# Altium PCB LXDbig.PcbDoc
Units mil, origin at the board's own origin, x right, y up, seen from the top; angles counter-clockwise.
Board outline 9763.78 x 9448.82 mil, 2 copper layers (Top Layer, Bottom Layer); 89 components, 61 nets, 381 pads, 13 vias.
Unrouted connection lines stored in the file: 14.
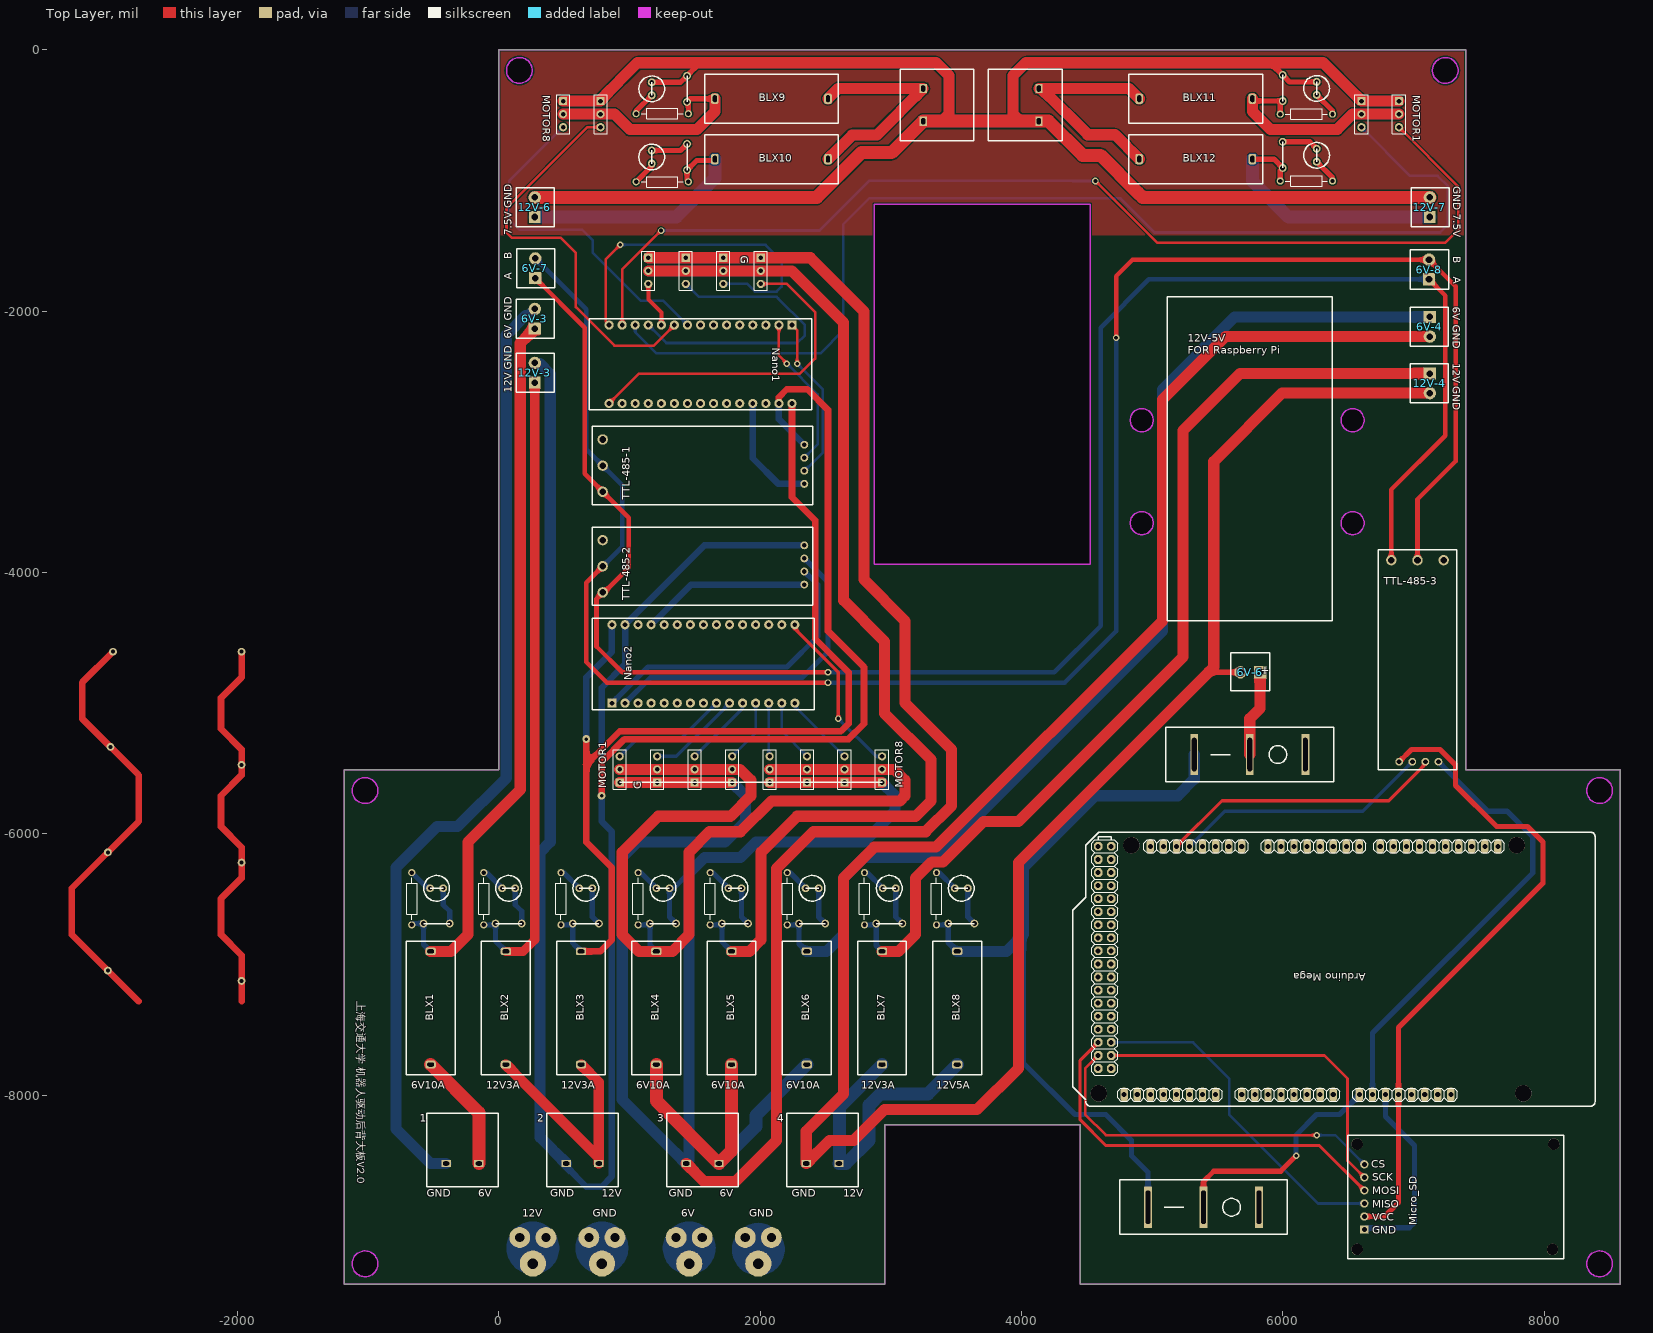
[diagram p0: Top Layer view]
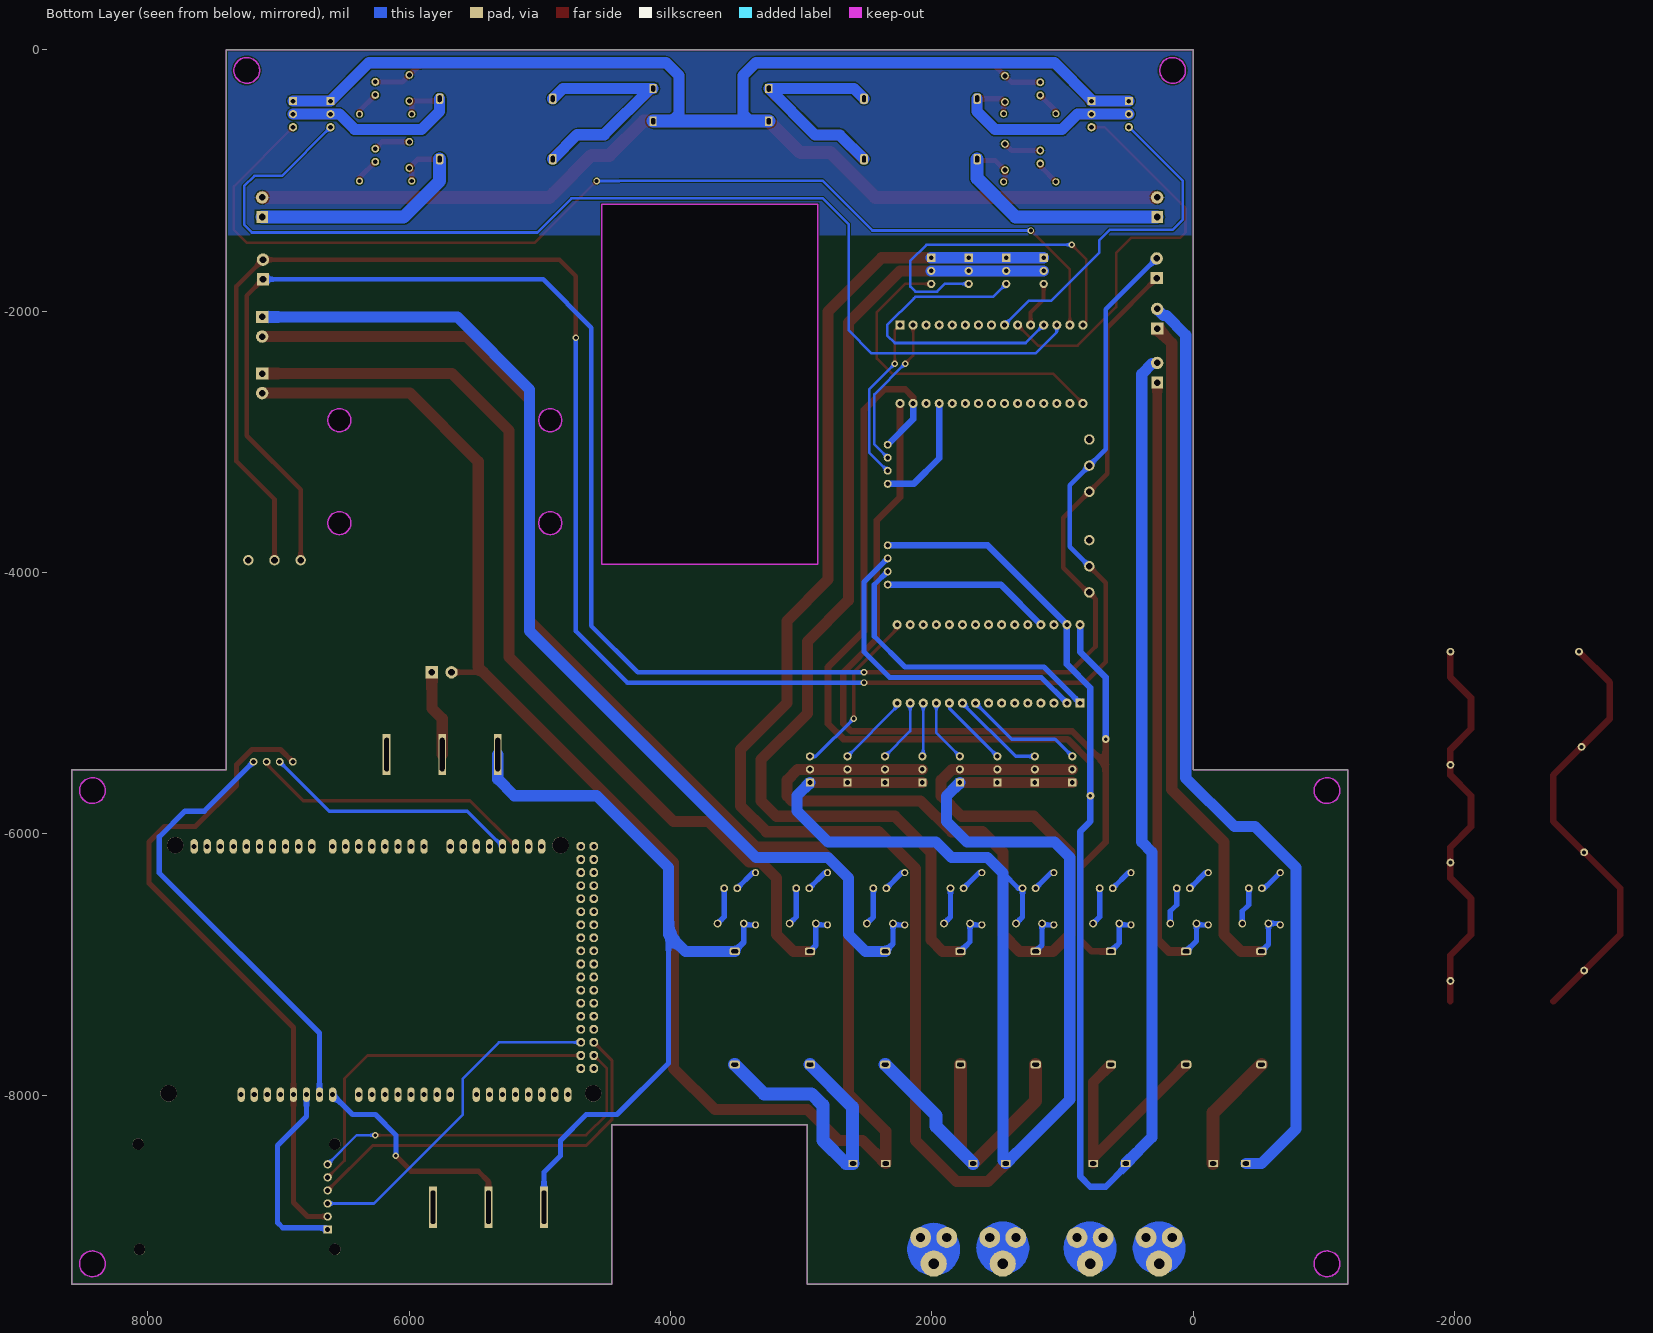
[diagram p1: Bottom Layer view, seen from below]

## Layer stack, top to bottom
Top Solder: solder mask 0.4, Solder Resist, Dk 3.5
Top Layer: signal copper 1.4
Dielectric 1: dielectric 12.6, FR-4, Dk 4.8
Bottom Layer: signal copper 1.4
Bottom Solder: solder mask 0.4, Solder Resist, Dk 3.5

## Board outline
-1181.1,-9448.82 -1181.1,-5511.81 0,-5511.81 0,0 7401.57,0 7401.57,-5511.81 8582.68,-5511.81 8582.68,-9448.82 4448.82,-9448.82 4448.82,-8228.35 2952.76,-8228.35 2952.76,-9448.82
cut-out: 2874.02,-3937.01 4527.56,-3937.01 4527.56,-1181.1 2874.02,-1181.1
cut-out: 7145.67,-157.48 ccw(c7244.09,-157.48) 7244.09,-255.91 ccw(c7244.09,-157.48) 7342.52,-157.48 ccw(c7244.09,-157.48) 7244.09,-59.06 ccw(c7244.09,-157.48)
cut-out: 157.48,-255.91 cw(c157.48,-157.48) 59.06,-157.48 cw(c157.48,-157.48) 157.48,-59.06 cw(c157.48,-157.48) 255.91,-157.48 cw(c157.48,-157.48)
cut-out: 4833.23,-2834.65 ccw(c4921.26,-2834.65) 4921.26,-2922.68 ccw(c4921.26,-2834.65) 5009.29,-2834.65 ccw(c4921.26,-2834.65) 4921.26,-2746.61 ccw(c4921.26,-2834.65)
cut-out: 6447.4,-2834.65 ccw(c6535.43,-2834.65) 6535.43,-2922.68 ccw(c6535.43,-2834.65) 6623.47,-2834.65 ccw(c6535.43,-2834.65) 6535.43,-2746.61 ccw(c6535.43,-2834.65)
cut-out: 6447.4,-3622.05 ccw(c6535.43,-3622.05) 6535.43,-3710.08 ccw(c6535.43,-3622.05) 6623.47,-3622.05 ccw(c6535.43,-3622.05) 6535.43,-3534.01 ccw(c6535.43,-3622.05)
cut-out: 4833.23,-3622.05 ccw(c4921.26,-3622.05) 4921.26,-3710.08 ccw(c4921.26,-3622.05) 5009.29,-3622.05 ccw(c4921.26,-3622.05) 4921.26,-3534.01 ccw(c4921.26,-3622.05)
cut-out: -1122.05,-5669.29 ccw(c-1023.62,-5669.29) -1023.62,-5767.72 ccw(c-1023.62,-5669.29) -925.2,-5669.29 ccw(c-1023.62,-5669.29) -1023.62,-5570.87 ccw(c-1023.62,-5669.29)
cut-out: -1122.05,-9291.34 ccw(c-1023.62,-9291.34) -1023.62,-9389.76 ccw(c-1023.62,-9291.34) -925.2,-9291.34 ccw(c-1023.62,-9291.34) -1023.62,-9192.91 ccw(c-1023.62,-9291.34)
cut-out: 8326.77,-9291.34 ccw(c8425.2,-9291.34) 8425.2,-9389.76 ccw(c8425.2,-9291.34) 8523.62,-9291.34 ccw(c8425.2,-9291.34) 8425.2,-9192.91 ccw(c8425.2,-9291.34)
cut-out: 8326.77,-5669.29 ccw(c8425.2,-5669.29) 8425.2,-5767.72 ccw(c8425.2,-5669.29) 8523.62,-5669.29 ccw(c8425.2,-5669.29) 8425.2,-5570.87 ccw(c8425.2,-5669.29)

## Design rules (kind name [scope] priority, off if disabled: settings)
Clearance [All] p1: gap=10 ignorepadtopadclearanceinfootprint=FALSE except(0: Arc-Hole Track-Hole SMDPad-Hole THPad-Hole Via-Hole Fill-Hole Poly-Hole Region-Hole Text-Hole)
HoleSize [All] p1 off: absolutevalues=TRUE maxlimit=150 minlimit=1 maxpercent=80.000 minpercent=20.000
PolygonConnect [All] p1: connectstyle=Relief reliefconductorwidth=10 reliefentries=4 polygonreliefangle="90 Angle" airgapwidth=10
RoutingVias [All] p1: holewidth=28 width=50 viastyle="Through Hole" minholewidth=28 minwidth=50 maxholewidth=28 maxwidth=50
SilkToSilkClearance [All] p1 off: silktosilkclearance=10
SilkToSolderMaskClearance [IsPad] p1 off: minsilkscreentomaskgap=10 clearancetoexposedcopper=TRUE
SolderMaskExpansion [All] p1: expansion=4
Width [All] p1: maxlimit=150 minlimit=20 preferedwidth=20
27 further rules are at their usual default settings.

## Components (designator, comment, footprint, x,y, rotation, side; value= is the part's Value field where it differs from the comment)
1 "Comment" 6.35duan -551.18,-8700.79 r0 top
2 "Comment" 6.35duan 367.45,-8700.79 r0 top
3 "Comment" 6.35duan 1286.09,-8700.79 r0 top
4 "Comment" 6.35duan 2204.72,-8700.79 r0 top
6V-3 "Comment" "HEADER 1X2a"#1 275.59,-2133.03 r90 top
6V-4 "Comment" "HEADER 1X2a"#1 7125.98,-2044.45 r270 top
6V-6 "Comment" "HEADER 1X2a"#1 5826.77,-4763.78 r180 top
6V-7 "Comment" "HEADER 1X2a"#1 279.13,-1746.42 r90 top
6V-8 "Comment" "HEADER 1X2a"#1 7119.68,-1756.26 r90 top
12V-3 "Comment" "HEADER 1X2a"#2 275.59,-2546.42 r90 top
12V-4 "Comment" "HEADER 1X2a"#1 7125.98,-2477.52 r270 top
12V-6 "Comment" "HEADER 1X2a"#2 275.59,-1279.53 r90 top
12V-7 "Comment" "HEADER 1X2a"#2 7125.98,-1279.53 r90 top
"Arduino Mega" "Comment" arduino_pin 6456.69,-6771.65 r180 top
BLX1 "Comment" BLX-A -521.65,-7766.26 r90 top
BLX2 "Comment" BLX-A 54.13,-7766.26 r90 top
BLX3 "Comment" BLX-A 629.92,-7766.26 r90 top
BLX4 "Comment" BLX-A 1205.71,-7766.26 r90 top
BLX5 "Comment" BLX-A 1781.5,-7766.26 r90 top
BLX6 "Comment" BLX-A 2357.28,-7766.26 r90 top
BLX7 "Comment" BLX-A 2933.07,-7766.26 r90 top
BLX8 "Comment" BLX-A 3508.86,-7766.26 r90 top
BLX9 "Comment" BLX-A 1653.54,-374.02 r0 top
BLX10 "Comment" BLX-A 1653.54,-836.61 r0 top
BLX11 "Comment" BLX-A 4901.57,-374.02 r0 top
BLX12 "Comment" BLX-A 4901.57,-836.61 r0 top
Micro_SD "Comment" Micro_SD 9094.49,-10905.51 r0 top
MOTOR1 "Comment" HDR1X3 925.2,-5607.44 r90 top
MOTOR1 "Comment" HDR1X3 6889.76,-392.12 r270 top
MOTOR8 "Comment" HDR1X3 2933.07,-5607.44 r90 top
MOTOR8 "Comment" HDR1X3 492.13,-392.12 r270 top
Nano1 "Comment" NANO 2244.09,-2106.3 r270 top
Nano2 "Comment" NANO 866.14,-5000 r90 top
TTL-485-1 "Comment" ttl-485#1 2401.57,-3481.46 r180 top
TTL-485-2 "Comment" ttl-485#1 2401.57,-4251.97 r180 top
TTL-485-3 "Comment" ttl-485#2 6732.28,-5511.81 r90 top
? "Comment" LED_BLUE 6259.84,-807.09 r270 top
? "Comment" C_50V_10u 5999.8,-703.78 r270 top
? "Comment" AXIAL-0.4 6181.1,-1003.94 r0 top
? "Comment" LED_BLUE 6259.84,-295.28 r270 top
? "Comment" C_50V_10u 5999.8,-191.97 r270 top
? "Comment" AXIAL-0.4 6181.1,-492.13 r0 top
? "Comment" HDR1X3 1212.04,-5607.44 r90 top
? "Comment" HDR1X3 1498.88,-5607.44 r90 top
? "Comment" HDR1X3 1785.71,-5607.44 r90 top
? "Comment" HDR1X3 2072.55,-5607.44 r90 top
? "Comment" HDR1X3 2359.39,-5607.44 r90 top
? "Comment" HDR1X3 2646.23,-5607.44 r90 top
? "Comment" HDR1X3 778.97,-392.12 r270 top
? "Comment" HDR1X3 1144.54,-1591.69 r270 top
? "Comment" HDR1X3 1431.38,-1591.69 r270 top
? "Comment" HDR1X3 1718.22,-1591.69 r270 top
? "Comment" HDR1X3 2005.06,-1591.69 r270 top
? "Comment" HDR1X3 6602.92,-392.12 r270 top
? "Comment" LED_BLUE 75.43,-6417.2 r0 top
? "Comment" C_50V_10u -24.57,-6687.2 r0 top
? "Comment" AXIAL-0.4 -114.57,-6497.2 r90 top
? "Comment" LED_BLUE -475.75,-6417.2 r0 top
? "Comment" C_50V_10u -575.75,-6687.2 r0 top
? "Comment" AXIAL-0.4 -665.75,-6497.2 r90 top
? "Comment" LED_BLUE 665.98,-6417.2 r0 top
? "Comment" C_50V_10u 565.98,-6687.2 r0 top
? "Comment" AXIAL-0.4 475.98,-6497.2 r90 top
? "Comment" LED_BLUE 1256.54,-6417.2 r0 top
? "Comment" C_50V_10u 1156.54,-6687.2 r0 top
? "Comment" AXIAL-0.4 1066.54,-6497.2 r90 top
? "Comment" LED_BLUE 1807.72,-6417.2 r0 top
? "Comment" C_50V_10u 1707.72,-6687.2 r0 top
? "Comment" AXIAL-0.4 1617.72,-6497.2 r90 top
? "Comment" LED_BLUE 2398.27,-6417.2 r0 top
? "Comment" C_50V_10u 2298.27,-6687.2 r0 top
? "Comment" AXIAL-0.4 2208.27,-6497.2 r90 top
? "Comment" LED_BLUE 2988.82,-6417.2 r0 top
? "Comment" C_50V_10u 2888.82,-6687.2 r0 top
? "Comment" AXIAL-0.4 2798.82,-6497.2 r90 top
? "Comment" LED_BLUE 3540,-6417.2 r0 top
? "Comment" C_50V_10u 3440,-6687.2 r0 top
? "Comment" AXIAL-0.4 3350,-6497.2 r90 top
? "Comment" switch 5748.03,-5393.7 r0 top
? "Comment" 6.35duan 4311.02,-694.88 r90 top
? "Comment" 6.35duan 3070.87,-147.64 r270 top
? "Comment" "5V REGULATOR" 5118.11,-4370.08 r0 top
? "Comment" switch 5393.7,-8858.27 r0 top
? "Comment" AXIAL-0.4 1251.14,-488.58 r180 top
? "Comment" C_50V_10u 1441.14,-398.58 r90 top
? "Comment" LED_BLUE 1171.14,-298.58 r90 top
? "Comment" AXIAL-0.4 1251.14,-1010.24 r180 top
? "Comment" C_50V_10u 1441.14,-920.24 r90 top
? "Comment" LED_BLUE 1171.14,-820.24 r90 top

## Footprints (in the part's own frame and the unit in brackets; to place one, negate y for a bottom-side part, rotate by r counter-clockwise, add the part's x,y. Pads: shape width x height; smd on the part's side, far side on the other; paste and mask are expansions set on the pad)
"5V REGULATOR" [mil]
  silkscreen extent 0,0 1260,2480
6.35duan [mm]
  rect 1.8x1.4 hole 0.8 slot 1.2 at 0 deg: 1(3.775,4.5) 2(10.125,4.5)
  silkscreen extent 0,0 13.9,14.3
arduino_pin [mil]
  round 126 hole 126: 1(-1385,1215) 1(-1335,-685) 1(1615,-685) 1(1865,1215)
  oval 56x112 hole 39: 1(-1190,-675) 1(-830,1225) 1(70,1225) 1(570,-675) 1(970,1225) 1(1470,-675) 2(-1090,-675) 2(-730,1225) 2(170,1225) 2(470,-675) 2(1070,1225) 2(1370,-675) 3(-990,-675) 3(-630,1225) 3(270,1225) 3(370,-675) 3(1170,1225) 3(1270,-675) 4(-890,-675) 4(-530,1225) 4(270,-675) 4(370,1225) 4(1170,-675) 4(1270,1225) 5(-790,-675) 5(-430,1225) 5(170,-675) 5(470,1225) 5(1070,-675) 5(1370,1225) 6(-690,-675) 6(-330,1225) 6(70,-675) 6(570,1225) 6(970,-675) 6(1470,1225) 7(-590,-675) 7(-230,1225) 7(-30,-675) 7(670,1225) 7(870,-675) 7(1570,1225) 8(-490,-675) 8(-130,1225) 8(-130,-675) 8(770,1225) 8(770,-675) 8(1670,1225) 9(-390,-675) 10(-290,-675)
  oct 66x66 hole 38: 1(1770,-675) 2(1870,-675) 3(1770,-575) 4(1870,-575) 5(1770,-475) 6(1870,-475) 7(1770,-375) 8(1870,-375) 9(1770,-275) 10(1870,-275) 11(1770,-175) 12(1870,-175) 13(1770,-75) 14(1870,-75) 15(1770,25) 16(1870,25) 17(1770,125) 18(1870,125) 19(1770,225) 20(1870,225) 21(1770,325) 22(1870,325) 23(1770,425) 24(1870,425) 25(1770,525) 26(1870,525) 27(1770,625) 28(1870,625) 29(1770,725) 30(1870,725) 31(1770,825) 32(1870,825) 33(1770,925) 34(1870,925) 35(1770,1025) 36(1870,1025)
  silkscreen extent -1935,-785 2065,1315
AXIAL-0.4 [mm] "Axial Device, Thru-Hole; 2 Leads; 0.4 in Pin Spacing"
  round 1.4 hole 0.85: 1(-5.08,0) 2(5.08,0)
  silkscreen extent -4.06,-1.02 4.06,1.02
BLX-A [mm]
  rrect50% 1.5x2 hole 0.762 slot 1.3 at 90 deg: 1(0,0) 2(22,0)
  silkscreen extent -2,-4.74 24,4.74
C_50V_10u [mil]
  round 60 hole 38: 1(0,0) 2(200,0)
  silkscreen extent 0,0 200,0
HDR1X3 [mm] "Connector; Header; 3 Position"
  rect 1.6x1.6 hole 0.9: 1(0,0)
  round 1.6 hole 0.9: 2(2.54,0) 3(5.08,0)
  silkscreen extent -1.27,-1.27 6.35,1.27
"HEADER 1X2a"#1 [mil]
  rect 95x95 hole 50 paste+0: 1(0,0)
  round 95 hole 50: 2(150,0)
  silkscreen extent -75,-150 225,142
"HEADER 1X2a"#2 [mil]
  rect 90x90 hole 50: 1(0,0)
  round 95 hole 50: 2(150,0)
  silkscreen extent -75,-150 225,142
LED_BLUE [mil]
  round 60 hole 35: 1(-50,0) 2(50,0)
  silkscreen extent -98,-98 98,98
Micro_SD [mm]
  rect 1.6x1.6 hole 0.965: 1(-62.738,47.65)
  round 1.6 hole 0.965: 2(-62.738,50.19) 3(-62.738,52.73) 4(-62.738,55.27) 5(-62.738,57.81) 6(-62.738,60.35)
  round 2.2 hole 2.2: 6(-64.135,43.815) 6(-64.135,64.262) 6(-26.162,43.815) 6(-25.908,64.262)
  silkscreen extent -66,42 -24,66
NANO [mil]
  rect 70x70 hole 36: 1(0,0)
  round 70 hole 36: 2(0,-100) 3(0,-200) 4(0,-300) 5(0,-400) 6(0,-500) 7(0,-600) 8(0,-700) 9(0,-800) 10(0,-900) 11(0,-1000) 12(0,-1100) 13(0,-1200) 14(0,-1300) 15(0,-1400) 16(600,-1400) 17(600,-1300) 18(600,-1200) 19(600,-1100) 20(600,-1000) 21(600,-900) 22(600,-800) 23(600,-700) 24(600,-600) 25(600,-500) 26(600,-400) 27(600,-300) 28(600,-200) 29(600,-100) 30(600,0)
  silkscreen extent -50,-1550 650,150
switch [mm]
  rect 1.524x8 hole 0.9 slot 6.5 at 90 deg: 1(-10.8,0) 2(0,0) 3(10.8,0)
  silkscreen extent -16.3,-5.3 16.3,5.3
ttl-485#1 [mil]
  round 80 hole 50: 1(1606.3,-99.21) 2(1606.3,-299.21) 3(1606.3,-499.21)
  round 60 hole 35: 4(62.99,-159.45) 5(62.99,-259.45) 6(62.99,-359.45) 7(62.99,-459.45)
  silkscreen extent 0,-599 1685,0
ttl-485#2 [mil]
  round 80 hole 50: 1(1606.3,-99.21) 2(1606.3,-299.21) 3(1606.3,-499.21)
  round 60 hole 38: 4(62.99,-159.45) 5(62.99,-259.45) 6(62.99,-359.45) 7(62.99,-459.45)
  silkscreen extent 0,-599 1685,0

## Free pads (board coordinates)
  round 160 hole 70: 2(160.63,-9090.16) 2(360.63,-9090.16) 2(689.37,-9090.16) 2(889.37,-9090.16) 2(1357.48,-9090.16) 2(1557.48,-9090.16) 2(1886.22,-9090.16) 2(2086.22,-9090.16)
  round 200 hole 80: 2(260.63,-9290.16) 2(789.37,-9290.16) 2(1457.48,-9290.16) 2(1986.22,-9290.16)
  round 60 hole 30: 3(-2952.76,-4606.3) 4(-2972.44,-5334.65) 5(-2992.13,-6141.73) 6(-2992.13,-7047.24) 7(-1968.5,-4606.3) 8(-1968.5,-5472.44) 9(-1968.5,-6220.47) 10(-1968.5,-7125.98)

## Via types
v1: diameter 50, hole 28, Top Layer to Bottom Layer, 11 vias
v2: diameter 60, hole 28, Top Layer to Bottom Layer, 2 vias

## Nets (pads, with @x,y where several pads share a name; then routed paths per layer and width w, separated by ;. In a path a pad name is that pad's centre, name@x,y a point inside that pad or via, vN(x,y) a via of type N, cw(c..) or ccw(c..) an arc to the next point about the centre after c; other vN are vias at no path point)
3V3: 
6IN: 
6ING: 
7.5VL: ?.1@3248.03,-296.26 BLX9.2 BLX10.2 | length 3425.4
  Top Layer w85: BLX10.2 2705.71,-650.59 2893.7,-650.59 3248.03,-296.26 2597.44,-296.26 BLX9.2
  Bottom Layer w85: BLX10.2 2705.71,-650.59 2893.7,-650.59 3248.03,-296.26 2597.44,-296.26 BLX9.2
7.5VLO: ?.1@1441.14,-398.58 ?.1@1451.14,-488.58 ?.2@778.97,-492.13 BLX9.1 MOTOR8.2@492.13,-492.13 | length 3048.4
  Top Layer w40: ?.1@1451.14,-488.58 1451.14,-408.58 1441.14,-398.58 1465.71,-374.02 BLX9.1
  Top Layer w85: MOTOR8.2@492.13,-492.13 778.97,-492.13 885.83,-492.13 1003.94,-610.24 1515.75,-610.24 1653.54,-472.44 BLX9.1
  Bottom Layer w85: MOTOR8.2@492.13,-492.13 778.97,-492.13 885.83,-492.13 1003.94,-610.24 1515.75,-610.24 1653.54,-472.44 BLX9.1
7.5VLO2: 12V-6.1 ?.1@1441.14,-920.24 ?.1@1451.14,-1010.24 BLX10.1 | length 1989.1
  Top Layer w40: ?.1@1451.14,-1010.24 1441.14,-1000.24 1441.14,-920.24 1514.92,-846.46 1643.7,-846.46 BLX10.1
  Bottom Layer w100: 12V-6.1 1358.27,-1279.53 1653.54,-984.25 BLX10.1
7.5VR: ?.2@4133.86,-296.26 BLX11.1 BLX12.1 | length 3541.6
  Top Layer w85: ?.2@4133.86,-296.26 ?.2@4154.53,-296.26 ; BLX12.1 4714.57,-649.61 4507.87,-649.61 ?.2@4154.53,-296.26 ; BLX11.1 4823.82,-296.26 ?.2@4154.53,-296.26
  Bottom Layer w85: ?.2@4133.86,-296.26 ?.2@4154.53,-296.26 ; BLX12.1 4714.57,-649.61 4507.87,-649.61 ?.2@4154.53,-296.26 ; BLX11.1 4823.82,-296.26 ?.2@4154.53,-296.26
7.5VRO: ?.1@5981.1,-492.13 ?.2@5999.8,-391.97 ?.2@6602.92,-492.13 BLX11.2 MOTOR1.2@6889.76,-492.13 | length 3000.4
  Top Layer w40: BLX11.2 5785.67,-391.97 5999.8,-391.97 5981.1,-410.67 ?.1@5981.1,-492.13
  Top Layer w85: BLX11.2 5767.72,-472.44 5905.51,-610.24 6417.32,-610.24 6535.43,-492.13 6602.92,-492.13 MOTOR1.2@6889.76,-492.13
  Bottom Layer w85: BLX11.2 5767.72,-472.44 5905.51,-610.24 6417.32,-610.24 6535.43,-492.13 6602.92,-492.13 MOTOR1.2@6889.76,-492.13
7.5VRO2: 12V-7.1 ?.1@5981.1,-1003.94 ?.2@5999.8,-903.78 BLX12.2 | length 2007.6
  Top Layer w40: BLX12.2 5932.64,-836.61 5999.8,-903.78 5981.1,-922.48 ?.1@5981.1,-1003.94
  Bottom Layer w100: BLX12.2 5767.72,-1003.94 6043.31,-1279.53 12V-7.1
12IN: 
12ING: 
50: "Arduino Mega.31" Micro_SD.3 | length 2609.9
  Bottom Layer w20: 4686.69,-7596.65 5313.19,-7596.65 5590.55,-7874.02 5590.55,-8149.61 6270.47,-8829.53 Micro_SD.3
51: "Arduino Mega.32" Micro_SD.4 | length 3049
  Top Layer w25: 4586.69,-7596.65 4448.82,-7734.53 4448.82,-8188.98 4645.67,-8385.83 6280.79,-8385.83 Micro_SD.4
52: "Arduino Mega.33" Micro_SD.5 | length 2691.5
  Top Layer w20: 4686.69,-7696.65 6318.7,-7696.65 6496.06,-7874.02 6496.06,-8501.1 Micro_SD.5
53: "Arduino Mega.34" Micro_SD.6@6624.49,-8529.53 | length 2787.4
  Top Layer w20: 4586.69,-7696.65 4488.19,-7795.16 4488.19,-8149.61 4645.67,-8307.09 v1(6259.84,-8307.09)